# Altium PCB Board.PcbDoc (part 4 of 15) (continued)
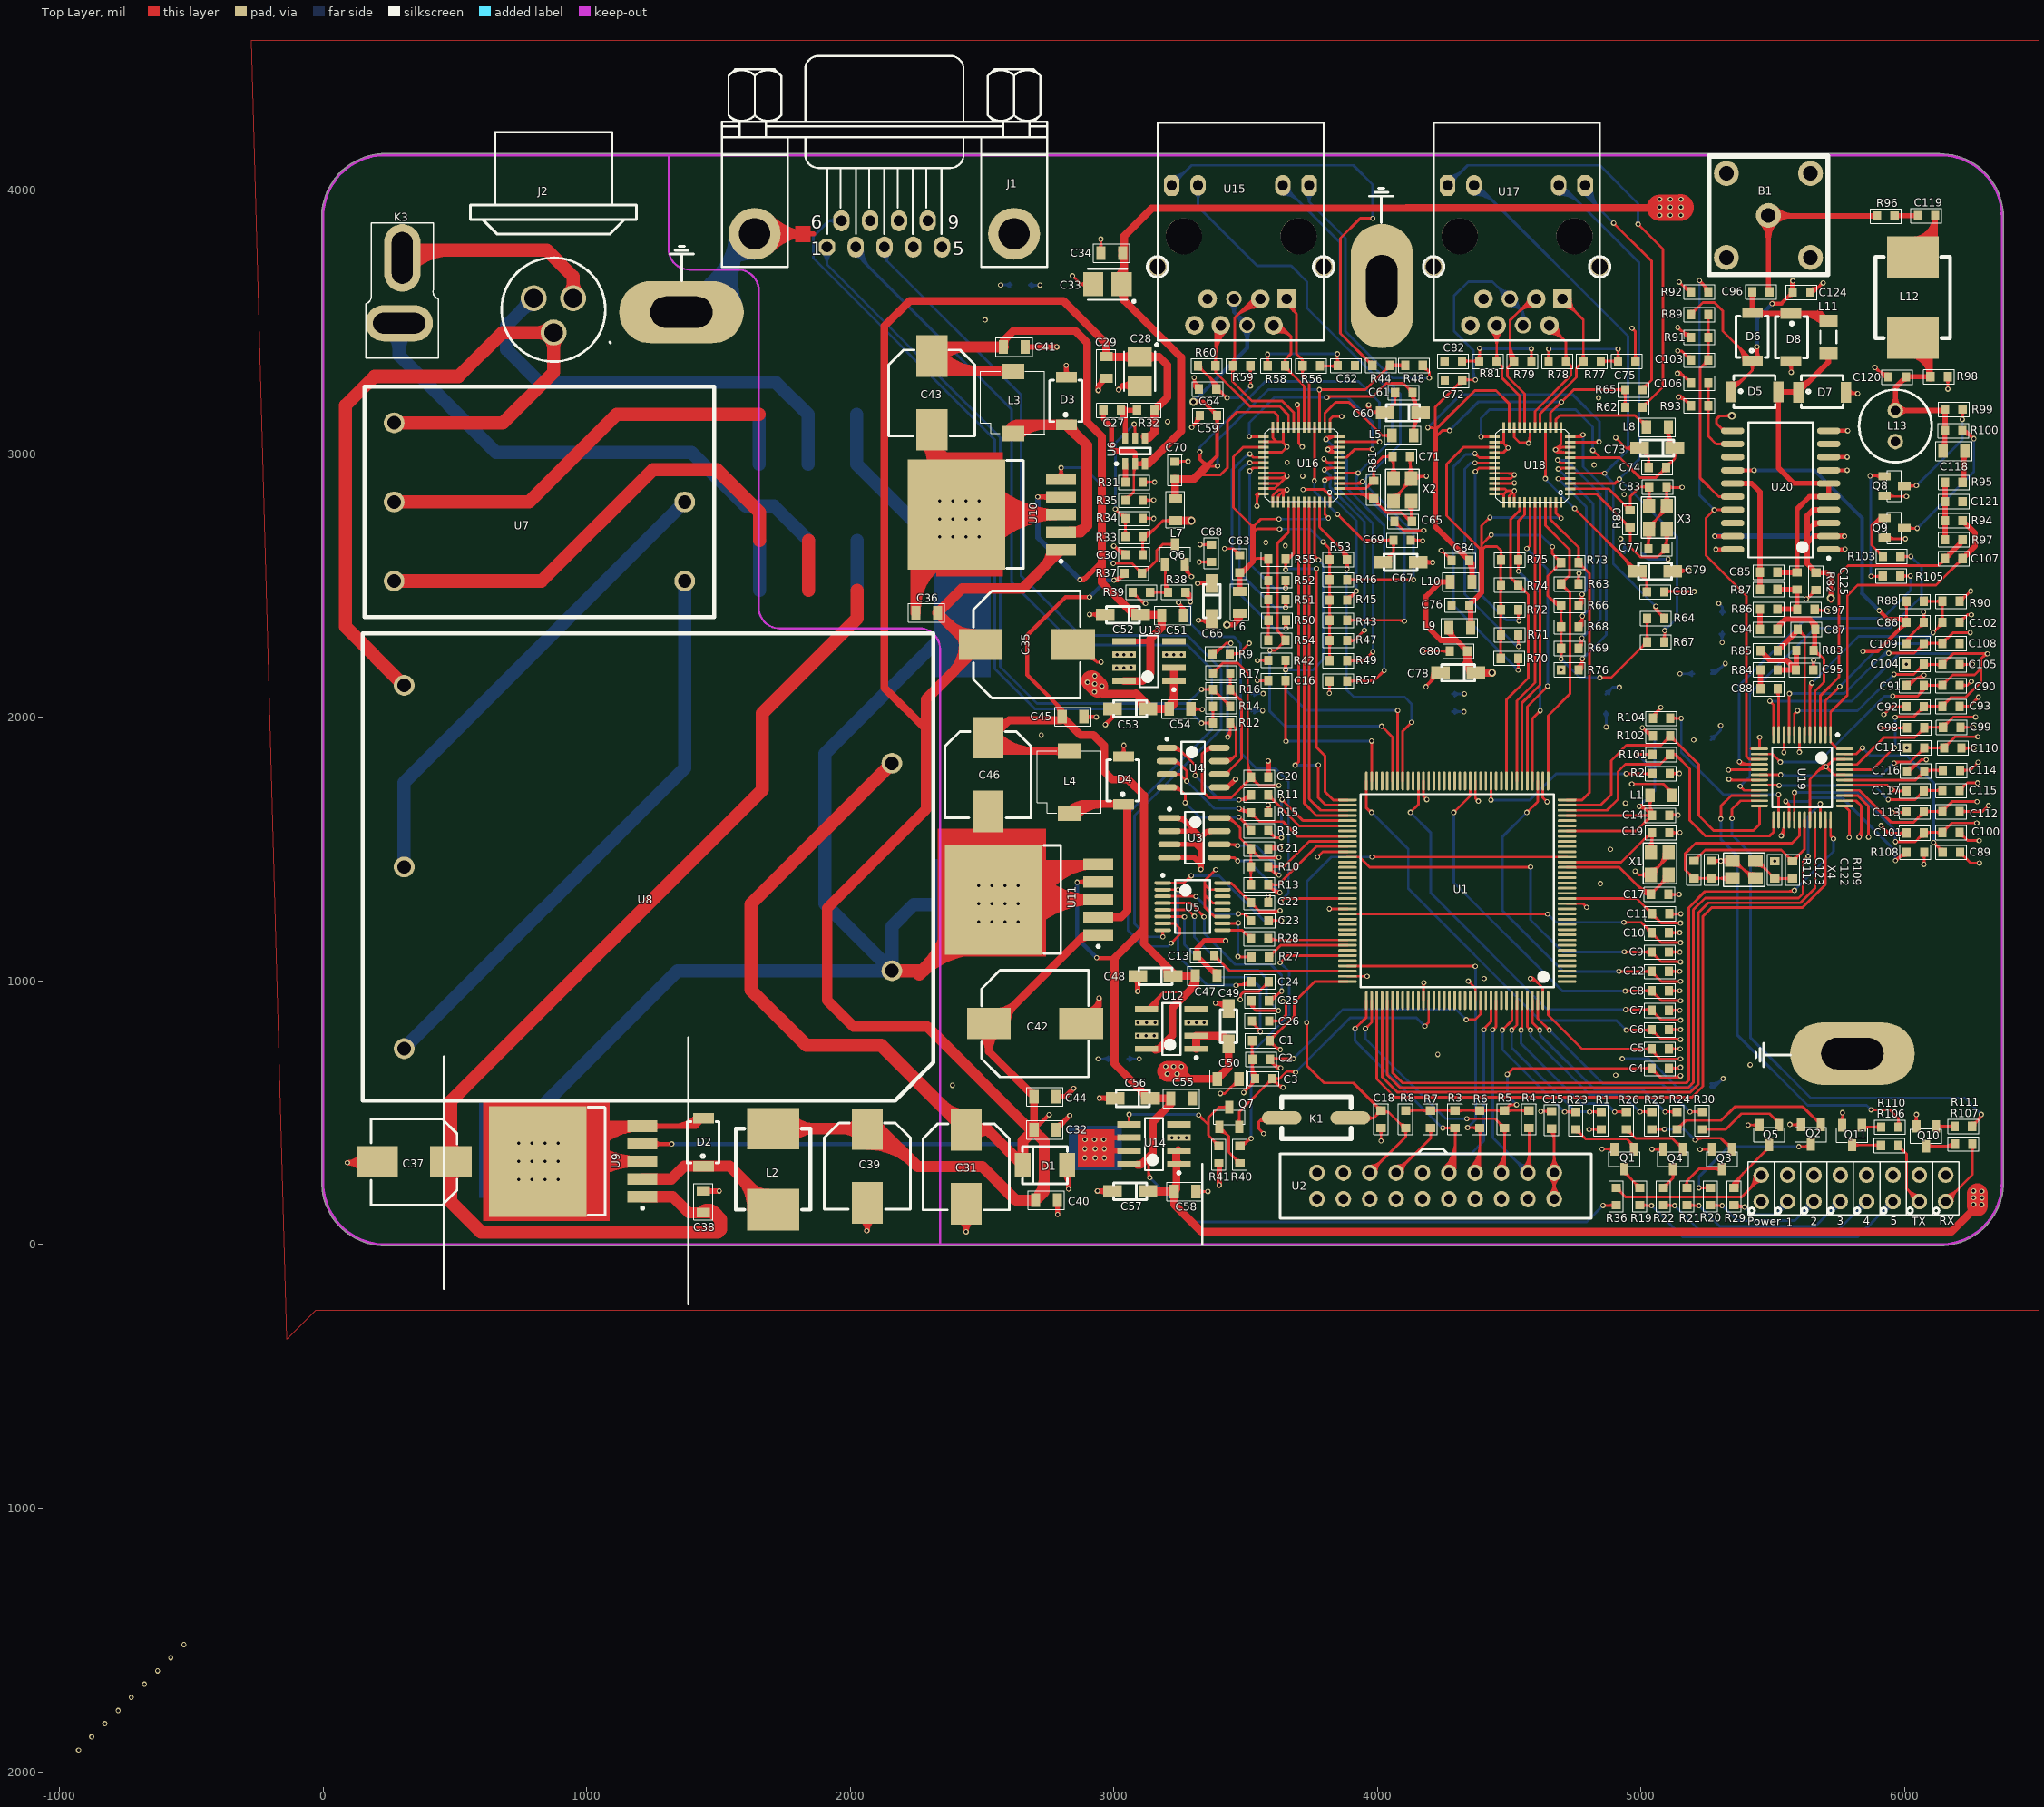
[diagram p0: Top Layer view]
## Nets (pads, with @x,y where several pads share a name; then routed paths per layer and width w, separated by ;. In a path a pad name is that pad's centre, name@x,y a point inside that pad or via, vN(x,y) a via of type N, cw(c..) or ccw(c..) an arc to the next point about the centre after c; other vN are vias at no path point) (continued)
 cw(c3135.55,2729.28) 3135.55,2755.23 ; R34.1@3117.2,2762.83 ccw(c3135.55,2781.18) 3135.55,2755.23 ; R34.1@3117.2,2762.83 ccw(c3135.55,2781.18) 3135.55,2755.23 ; R34.1@3117.2,2762.83 ccw(c3135.55,2781.18) 3135.55,2755.23 ; R35.1@3117.2,2816.24 cw(c3135.55,2797.89) 3135.55,2823.84 ; R35.1@3117.2,2816.24 cw(c3135.55,2797.89) 3135.55,2823.84 ; R35.1@3117.2,2816.24 cw(c3135.55,2797.89) 3135.55,2823.84 ; R35.1@3117.2,2831.44 ccw(c3135.55,2849.79) 3135.55,2823.84 ; R35.1@3117.2,2831.44 ccw(c3135.55,2849.79) 3135.55,2823.84 ; R35.1@3117.2,2831.44 ccw(c3135.55,2849.79) 3135.55,2823.84 ; R31.1@3117.2,2884.85 cw(c3135.55,2866.5) 3135.55,2892.45 ; R31.1@3117.2,2884.85 cw(c3135.55,2866.5) 3135.55,2892.45 ; R31.1@3117.2,2884.85 cw(c3135.55,2866.5) 3135.55,2892.45 ; R31.1@3117.2,2900.05 ccw(c3135.55,2918.4) 3135.55,2892.45 ; R31.1@3117.2,2900.05 ccw(c3135.55,2918.4) 3135.55,2892.45 ; R31.1@3117.2,2900.05 ccw(c3135.55,2918.4) 3135.55,2892.45 ; 3137.05,2823.84 ccw(c3137.05,2837.99) v1@3147.06,2827.98 ; 3137.05,2823.84 ccw(c3137.05,2837.99) v1@3147.06,2827.98 ; 3137.05,2823.84 ccw(c3137.05,2837.99) v1@3147.06,2827.98 ; 3137.65,2755.23 cw(c3137.65,2740.5) v1@3148.06,2750.91 ; 3137.65,2755.23 cw(c3137.65,2740.5) v1@3148.06,2750.91 ; 3137.65,2755.23 cw(c3137.65,2740.5) v1@3148.06,2750.91 ; 3140,2823.84 cw(c3140,2813.85) v1@3147.06,2820.91 ; 3140,2823.84 cw(c3140,2813.85) v1@3147.06,2820.91 ; 3140,2823.84 cw(c3140,2813.85) v1@3147.06,2820.91 ; 3141.41,2755.23 ccw(c3141.41,2764.64) v1@3148.06,2757.98 ; 3141.41,2755.23 ccw(c3141.41,2764.64) v1@3148.06,2757.98 ; 3141.41,2755.23 ccw(c3141.41,2764.64) v1@3148.06,2757.98 ; 3142.53,2892.45 cw(c3142.53,2880.38) v1@3151.06,2888.91 ; 3142.53,2892.45 ccw(c3142.53,2904.52) v1@3151.06,2895.98 ; 3142.53,2892.45 cw(c3142.53,2880.38) v1@3151.06,2888.91 ; 3142.53,2892.45 ccw(c3142.53,2904.52) v1@3151.06,2895.98 ; 3142.53,2892.45 ccw(c3142.53,2904.52) v1@3151.06,2895.98 ; 3142.53,2892.45 cw(c3142.53,2880.38) v1@3151.06,2888.91 ; C70.2@3241.17,2962.85 cw(c3261.93,2942.09) 3261.93,2971.45 ; C70.2@3241.17,2962.85 cw(c3261.93,2942.09) 3261.93,2971.45 ; C70.2@3241.17,2962.85 cw(c3261.93,2942.09) 3261.93,2971.45 ; C70.2@3241.17,2978.05 ccw(c3257.1,2993.98) 3257.1,2971.45 ; C70.2@3241.17,2978.05 ccw(c3257.1,2993.98) 3257.1,2971.45 ; C70.2@3241.17,2978.05 ccw(c3257.1,2993.98) 3257.1,2971.45 ; v1@3245.6,2430.45 cw(c3245.6,2418.38) 3254.13,2426.91 ; v1@3245.6,2430.45 cw(c3245.6,2418.38) 3254.13,2426.91 ; v1@3245.6,2430.45 cw(c3245.6,2418.38) 3254.13,2426.91 ; v1@3250.6,2435.45 ccw(c3262.67,2435.45) 3254.13,2426.91 ; v1@3250.6,2435.45 ccw(c3262.67,2435.45) 3254.13,2426.91 ; v1@3250.6,2435.45 ccw(c3262.67,2435.45) 3254.13,2426.91 ; C51.2@3257.74,2405.23 ccw(c3250.82,2416.77) 3264.28,2416.77 ; C51.2@3257.74,2405.23 ccw(c3250.82,2416.77) 3264.28,2416.77 ; C51.2@3257.74,2405.23 ccw(c3250.82,2416.77) 3264.28,2416.77 ; 3264.28,2416.77 ccw(c3277.73,2416.77) C51.2@3270.81,2405.23 ; 3264.28,2416.77 ccw(c3277.73,2416.77) C51.2@3270.81,2405.23 ; 3264.28,2416.77 ccw(c3277.73,2416.77) C51.2@3270.81,2405.23 ; 3269.53,2971.45 cw(c3269.53,2959.38) v1@3278.06,2967.91 ; 3269.53,2971.45 ccw(c3269.53,2983.52) v1@3278.06,2974.98 ; 3269.53,2971.45 cw(c3269.53,2959.38) v1@3278.06,2967.91 ; 3269.53,2971.45 ccw(c3269.53,2983.52) v1@3278.06,2974.98 ; 3269.53,2971.45 ccw(c3269.53,2983.52) v1@3278.06,2974.98 ; 3269.53,2971.45 cw(c3269.53,2959.38) v1@3278.06,2967.91 ; 3286.06,2541.98 cw(c3277.53,2533.45) v1@3289.6,2533.45 ; 3286.06,2541.98 ccw(c3294.6,2550.52) v1@3294.6,2538.45 ; 3286.06,2541.98 cw(c3277.53,2533.45) v1@3289.6,2533.45 ; 3286.06,2541.98 ccw(c3294.6,2550.52) v1@3294.6,2538.45 ; 3286.06,2541.98 ccw(c3294.6,2550.52) v1@3294.6,2538.45 ; 3286.06,2541.98 cw(c3277.53,2533.45) v1@3289.6,2533.45 ; v1@3295.6,3105.45 ccw(c3295.6,3117.52) 3304.13,3108.98 ; v1@3295.6,3105.45 ccw(c3295.6,3117.52) 3304.13,3108.98 ; v1@3295.6,3105.45 ccw(c3295.6,3117.52) 3304.13,3108.98 ; v1@3300.6,3100.45 cw(c3312.67,3100.45) 3304.13,3108.98 ; v1@3300.6,3100.45 cw(c3312.67,3100.45) 3304.13,3108.98 ; v1@3300.6,3100.45 cw(c3312.67,3100.45) 3304.13,3108.98 ; v1@3301.06,3285.91 cw(c3292.53,3277.38) 3304.6,3277.38 ; v1@3301.06,3285.91 cw(c3292.53,3277.38) 3304.6,3277.38 ; v1@3301.06,3285.91 cw(c3292.53,3277.38) 3304.6,3277.38 ; C54.2@3301.27,2023.46 cw(c3315.73,2008.99) 3315.73,2029.45 ; C54.2@3301.27,2023.46 cw(c3315.73,2008.99) 3315.73,2029.45 ; C54.2@3301.27,2023.46 cw(c3315.73,2008.99) 3315.73,2029.45 ; C54.2@3301.27,2041.44 ccw(c3330.22,2070.39) v1@3330.22,2029.45 ; C54.2@3301.27,2041.44 ccw(c3330.22,2070.39) v1@3330.22,2029.45 ; C54.2@3301.27,2041.44 ccw(c3330.22,2070.39) v1@3330.22,2029.45 ; 3304.6,3260.9 ccw(c3327.13,3260.9) C64.2@3319.44,3239.72 ; 3304.6,3260.9 ccw(c3327.13,3260.9) C64.2@3319.44,3239.72 ; 3304.6,3260.9 ccw(c3327.13,3260.9) C64.2@3319.44,3239.72 ; 3304.6,3264.45 v1(3304.6,3289.45) ; 3304.6,3275.17 ccw(c3332.32,3275.17) C64.2@3322.85,3249.12 ; 3304.6,3275.17 ccw(c3332.32,3275.17) C64.2@3322.85,3249.12 ; 3304.6,3275.17 ccw(c3332.32,3275.17) C64.2@3322.85,3249.12 ; 3304.6,3277.38 cw(c3316.67,3277.38) v1@3308.13,3285.91 ; 3304.6,3277.38 cw(c3316.67,3277.38) v1@3308.13,3285.91 ; 3304.6,3277.38 cw(c3316.67,3277.38) v1@3308.13,3285.91 ; v1(3304.6,3289.45) ccw(c3337.5,3289.45) C64.2@3326.27,3258.52 ; v1(3304.6,3289.45) ccw(c3337.5,3289.45) C64.2@3326.27,3258.52 ; v1(3304.6,3289.45) ccw(c3337.5,3289.45) C64.2@3326.27,3258.52 ; 3305.64,3263.4 cw(c3290.65,3248.42) C64.2@3311.85,3248.42 ; 3305.64,3263.4 cw(c3290.65,3248.42) C64.2@3311.85,3248.42 ; 3305.64,3263.4 cw(c3290.65,3248.42) C64.2@3311.85,3248.42 ; C58.2@3320.27,192.46 cw(c3341.98,170.75) 3341.98,201.45 ; C58.2@3320.27,192.46 cw(c3341.98,170.75) 3341.98,201.45 ; C58.2@3320.27,192.46 cw(c3341.98,170.75) 3341.98,201.45 ; C58.2@3320.27,210.44 ccw(c3341.98,232.15) 3341.98,201.45 ; C58.2@3320.27,210.44 ccw(c3341.98,232.15) 3341.98,201.45 ; C58.2@3320.27,210.44 ccw(c3341.98,232.15) 3341.98,201.45 ; v1(3320.6,2368.45) cw(c3320.6,2321.5) C66.1@3357.12,2351.01 ; v1(3320.6,2368.45) cw(c3320.6,2321.5) C66.1@3357.12,2351.01 ; v1(3320.6,2368.45) cw(c3320.6,2321.5) C66.1@3357.12,2351.01 ; 3323.53,2029.45 cw(c3323.53,2017.38) v1@3332.06,2025.91 ; 3323.53,2029.45 ccw(c3323.53,2041.52) v1@3332.06,2032.98 ; 3323.53,2029.45 cw(c3323.53,2017.38) v1@3332.06,2025.91 ; 3323.53,2029.45 ccw(c3323.53,2041.52) v1@3332.06,2032.98 ; 3323.53,2029.45 ccw(c3323.53,2041.52) v1@3332.06,2032.98 ; 3323.53,2029.45 cw(c3323.53,2017.38) v1@3332.06,2025.91 ; v1@3324.13,2364.91 cw(c3332.67,2356.38) 3332.67,2368.45 ; v1@3324.13,2364.91 cw(c3332.67,2356.38) 3332.67,2368.45 ; v1@3324.13,2364.91 cw(c3332.67,2356.38) 3332.67,2368.45 ; v1@3324.13,2371.98 ccw(c3332.67,2380.52) 3332.67,2368.45 ; v1@3324.13,2371.98 ccw(c3332.67,2380.52) 3332.67,2368.45 ; v1@3324.13,2371.98 ccw(c3332.67,2380.52) 3332.67,2368.45 ; v1@3331.13,2651.91 cw(c3339.67,2643.38) 3339.67,2655.45 ; v1@3331.13,2651.91 cw(c3339.67,2643.38) 3339.67,2655.45 ; v1@3331.13,2651.91 cw(c3339.67,2643.38) 3339.67,2655.45 ; v1@3331.13,2658.98 ccw(c3339.67,2667.52) 3339.67,2655.45 ; v1@3331.13,2658.98 ccw(c3339.67,2667.52) 3339.67,2655.45 ; v1@3331.13,2658.98 ccw(c3339.67,2667.52) 3339.67,2655.45 ; 3340.48,2368.45 ccw(c3340.48,2393.84) C66.1@3358.43,2375.88 ; 3340.48,2368.45 ccw(c3340.48,2393.84) C66.1@3358.43,2375.88 ; 3340.48,2368.45 ccw(c3340.48,2393.84) C66.1@3358.43,2375.88 ; 3341.54,2368.45 cw(c3341.54,2338.42) C66.1@3364.89,2357.3 ; 3341.54,2368.45 cw(c3341.54,2338.42) C66.1@3364.89,2357.3 ; 3341.54,2368.45 cw(c3341.54,2338.42) C66.1@3364.89,2357.3 ; 3341.68,2655.45 cw(c3341.68,2629.5) C68.1@3360.03,2647.85 ; 3341.68,2655.45 ccw(c3341.68,2681.4) C68.1@3360.03,2663.05 ; 3341.68,2655.45 cw(c3341.68,2629.5) C68.1@3360.03,2647.85 ; 3341.68,2655.45 ccw(c3341.68,2681.4) C68.1@3360.03,2663.05 ; 3341.68,2655.45 ccw(c3341.68,2681.4) C68.1@3360.03,2663.05 ; 3341.68,2655.45 cw(c3341.68,2629.5) C68.1@3360.03,2647.85 ; 3344.53,201.45 cw(c3344.53,189.38) v1@3353.06,197.91 ; 3344.53,201.45 ccw(c3344.53,213.52) v1@3353.06,204.98 ; 3344.53,201.45 cw(c3344.53,189.38) v1@3353.06,197.91 ; 3344.53,201.45 ccw(c3344.53,213.52) v1@3353.06,204.98 ; 3344.53,201.45 ccw(c3344.53,213.52) v1@3353.06,204.98 ; 3344.53,201.45 cw(c3344.53,189.38) v1@3353.06,197.91 ; 3345.6,1324.45 3345.6,1364.45 ; 3373.38,1251.67 ccw(c3387.18,1265.48) U5.11@3387.18,1245.95 ; 3373.38,1251.67 ccw(c3387.18,1265.48) U5.11@3387.18,1245.95 ; 3373.38,1251.67 ccw(c3387.18,1265.48) U5.11@3387.18,1245.95 ; 3378.06,1413.91 cw(c3386.6,1405.38) v1@3386.6,1417.45 ; 3378.06,1413.91 ccw(c3369.53,1422.45) v1@3381.6,1422.45 ; 3378.06,1413.91 cw(c3386.6,1405.38) v1@3386.6,1417.45 ; 3378.06,1413.91 ccw(c3369.53,1422.45) v1@3381.6,1422.45 ; 3378.06,1413.91 ccw(c3369.53,1422.45) v1@3381.6,1422.45 ; 3378.06,1413.91 cw(c3386.6,1405.38) v1@3386.6,1417.45 ; v1@3408.13,569.91 cw(c3416.67,561.38) 3416.67,573.45 ; v1@3408.13,569.91 cw(c3416.67,561.38) 3416.67,573.45 ; v1@3408.13,569.91 cw(c3416.67,561.38) 3416.67,573.45 ; v1@3408.13,576.98 ccw(c3416.67,585.52) 3416.67,573.45 ; v1@3408.13,576.98 ccw(c3416.67,585.52) 3416.67,573.45 ; v1@3408.13,576.98 ccw(c3416.67,585.52) 3416.67,573.45 ; v1@3423.13,2636.91 cw(c3431.67,2628.38) 3431.67,2640.45 ; v1@3423.13,2636.91 cw(c3431.67,2628.38) 3431.67,2640.45 ; v1@3423.13,2636.91 cw(c3431.67,2628.38) 3431.67,2640.45 ; v1@3423.13,2643.98 ccw(c3431.67,2652.52) 3431.67,2640.45 ; v1@3423.13,2643.98 ccw(c3431.67,2652.52) 3431.67,2640.45 ; v1@3423.13,2643.98 ccw(c3431.67,2652.52) 3431.67,2640.45 ; 3440.13,593.3 cw(c3475.28,558.15) C50.2@3475.28,607.86 ; 3440.13,593.3 cw(c3475.28,558.15) C50.2@3475.28,607.86 ; 3440.13,593.3 cw(c3475.28,558.15) C50.2@3475.28,607.86 ; R9.2@3447.2,2233.85 cw(c3465.55,2215.5) 3465.55,2241.45 ; R9.2@3447.2,2233.85 cw(c3465.55,2215.5) 3465.55,2241.45 ; R9.2@3447.2,2233.85 cw(c3465.55,2215.5) 3465.55,2241.45 ; R9.2@3447.2,2249.05 ccw(c3465.55,2267.4) 3465.55,2241.45 ; R9.2@3447.2,2249.05 ccw(c3465.55,2267.4) 3465.55,2241.45 ; R9.2@3447.2,2249.05 ccw(c3465.55,2267.4) 3465.55,2241.45 ; 3455.89,2637.16 cw(c3434.18,2615.45) C63.2@3464.88,2615.45 ; 3455.89,2637.16 cw(c3434.18,2615.45) C63.2@3464.88,2615.45 ; 3455.89,2637.16 cw(c3434.18,2615.45) C63.2@3464.88,2615.45 ; 3457.2,610.37 cw(c3475.28,592.29) C50.2@3475.28,617.86 ; 3457.2,610.37 cw(c3475.28,592.29) C50.2@3475.28,617.86 ; 3457.2,610.37 cw(c3475.28,592.29) C50.2@3475.28,617.86 ; C50.2@3459.13,612.31 ccw(c3450.87,620.57) C50.2@3462.56,620.57 ; C50.2@3459.13,612.31 ccw(c3450.87,620.57) C50.2@3462.56,620.57 ; C50.2@3459.13,612.31 ccw(c3450.87,620.57) C50.2@3462.56,620.57 ; 3460.64,2632.4 ccw(c3475.63,2647.39) C63.2@3475.63,2626.2 ; 3460.64,2632.4 ccw(c3475.63,2647.39) C63.2@3475.63,2626.2 ; 3460.64,2632.4 ccw(c3475.63,2647.39) C63.2@3475.63,2626.2 ; v1@3476.06,932.98 ccw(c3462.7,946.35) 3481.6,946.35 ; v1@3476.06,932.98 ccw(c3462.7,946.35) 3481.6,946.35 ; v1@3476.06,932.98 ccw(c3462.7,946.35) 3481.6,946.35 ; v1@3492.6,581.45 ccw(c3492.6,593.52) 3501.13,584.98 ; v1@3492.6,581.45 ccw(c3492.6,593.52) 3501.13,584.98 ; v1@3492.6,581.45 ccw(c3492.6,593.52) 3501.13,584.98 ; v1@3497.6,576.45 cw(c3509.67,576.45) 3501.13,584.98 ; v1@3497.6,576.45 cw(c3509.67,576.45) 3501.13,584.98 ; v1@3497.6,576.45 cw(c3509.67,576.45) 3501.13,584.98 ; 3505.06,2272.91 cw(c3513.6,2264.38) v1@3513.6,2276.45 ; 3505.06,2272.91 ccw(c3496.53,2281.45) v1@3508.6,2281.45 ; 3505.06,2272.91 cw(c3513.6,2264.38) v1@3513.6,2276.45 ; 3505.06,2272.91 ccw(c3496.53,2281.45) v1@3508.6,2281.45 ; 3505.06,2272.91 ccw(c3496.53,2281.45) v1@3508.6,2281.45 ; 3505.06,2272.91 cw(c3513.6,2264.38) v1@3513.6,2276.45 ; 3511.57,595.42 ccw(c3479.51,627.48) C3.1@3524.85,627.48 ; 3511.57,595.42 ccw(c3479.51,627.48) C3.1@3524.85,627.48 ; 3511.57,595.42 ccw(c3479.51,627.48) C3.1@3524.85,627.48 ; C1.1@3517,763.88 cw(c3498.65,745.53) 3524.6,745.53 ; C1.1@3517,763.88 cw(c3498.65,745.53) 3524.6,745.53 ; C1.1@3517,763.88 cw(c3498.65,745.53) 3524.6,745.53 ; C2.1@3519,692.88 cw(c3505.48,679.36) 3524.6,679.36 ; C2.1@3519,692.88 cw(c3505.48,679.36) 3524.6,679.36 ; C2.1@3519,692.88 cw(c3505.48,679.36) 3524.6,679.36 ; C2.1@3519,712.02 ccw(c3505.48,725.54) 3524.6,725.54 ; C2.1@3519,712.02 ccw(c3505.48,725.54) 3524.6,725.54 ; C2.1@3519,712.02 ccw(c3505.48,725.54) 3524.6,725.54 ; 3524.6,659.78 ccw(c3563.96,659.78) C3.1@3536.13,631.95 ; 3524.6,659.78 ccw(c3563.96,659.78) C3.1@3536.13,631.95 ; 3524.6,659.78 ccw(c3563.96,659.78) C3.1@3536.13,631.95 ; 3524.6,669.7 cw(c3557.37,669.7) C2.1@3534.2,692.88 ; 3524.6,669.7 cw(c3557.37,669.7) C2.1@3534.2,692.88 ; 3524.6,669.7 cw(c3557.37,669.7) C2.1@3534.2,692.88 ; 3524.6,683.92 ccw(c3588.1,683.92) C3.1@3543.2,639.02 ; 3524.6,683.92 ccw(c3588.1,683.92) C3.1@3543.2,639.02 ; 3524.6,683.92 ccw(c3588.1,683.92) C3.1@3543.2,639.02 ; 3524.6,735.19 ccw(c3557.37,735.19) C2.1@3534.2,712.02 ; 3524.6,735.19 ccw(c3557.37,735.19) C2.1@3534.2,712.02 ; 3524.6,735.19 ccw(c3557.37,735.19) C2.1@3534.2,712.02 ; 3524.6,745.53 cw(c3550.55,745.53) C1.1@3532.2,763.88 ; 3524.6,745.53 cw(c3550.55,745.53) C1.1@3532.2,763.88 ; 3524.6,745.53 cw(c3550.55,745.53) C1.1@3532.2,763.88 ; C3.1@3528.64,612.49 ccw(c3513.65,627.48) C3.1@3534.85,627.48 ; C3.1@3528.64,612.49 ccw(c3513.65,627.48) C3.1@3534.85,627.48 ; C3.1@3528.64,612.49 ccw(c3513.65,627.48) C3.1@3534.85,627.48 ; v1@3539.06,2804.98 ccw(c3530.53,2813.52) 3542.6,2813.52 ; v1@3539.06,2804.98 ccw(c3530.53,2813.52) 3542.6,2813.52 ; v1@3539.06,2804.98 ccw(c3530.53,2813.52) 3542.6,2813.52 ; 3542.6,2813.52 ccw(c3554.67,2813.52) v1@3546.13,2804.98 ; 3542.6,2813.52 ccw(c3554.67,2813.52) v1@3546.13,2804.98 ; 3542.6,2813.52 ccw(c3554.67,2813.52) v1@3546.13,2804.98 ; 3542.6,2824.31 cw(c3576.74,2824.31) U16.36@3552.6,2848.45 ; 3542.6,2824.31 cw(c3576.74,2824.31) U16.36@3552.6,2848.45 ; 3542.6,2824.31 cw(c3576.74,2824.31) U16.36@3552.6,2848.45 ; 3542.6,2838.4 cw(c3552.65,2838.4) U16.36@3552.6,2848.45 ; 3542.6,2838.4 cw(c3552.65,2838.4) U16.36@3552.6,2848.45 ; 3542.6,2838.4 cw(c3552.65,2838.4) U16.36@3552.6,2848.45 ; 3542.6,2847.45 cw(c3548.21,2841.84) U16.36@3552.6,2848.45 ; v1@3547.13,2135.91 cw(c3555.67,2127.38) 3555.67,2139.45 ; v1@3547.13,2135.91 cw(c3555.67,2127.38) 3555.67,2139.45 ; v1@3547.13,2135.91 cw(c3555.67,2127.38) 3555.67,2139.45 ; v1@3547.13,2142.98 ccw(c3555.67,2151.52) 3555.67,2139.45 ; v1@3547.13,2142.98 ccw(c3555.67,2151.52) 3555.67,2139.45 ; v1@3547.13,2142.98 ccw(c3555.67,2151.52) 3555.67,2139.45 ; v1@3548.13,2211.91 cw(c3558.68,2201.37) 3558.68,2216.28 ; v1@3548.13,2211.91 cw(c3558.68,2201.37) 3558.68,2216.28 ; v1@3548.13,2211.91 cw(c3558.68,2201.37) 3558.68,2216.28 ; v1@3548.13,2218.98 ccw(c3554.66,2225.51) 3554.66,2216.28 ; v1@3548.13,2218.98 ccw(c3554.66,2225.51) 3554.66,2216.28 ; v1@3548.13,2218.98 ccw(c3554.66,2225.51) 3554.66,2216.28 ; U16.36@3552.6,2848.45 ccw(c3550.35,2832.7) 3539.1,2843.95 cw(c3550.35,2832.7) U16.36@3552.6,2848.45 ; 3559.65,2139.45 cw(c3559.65,2113.5) C16.1@3578,2131.85 ; 3559.65,2139.45 ccw(c3559.65,2165.4) C16.1@3578,2147.05 ; 3559.65,2139.45 cw(c3559.65,2113.5) C16.1@3578,2131.85 ; 3559.65,2139.45 ccw(c3559.65,2165.4) C16.1@3578,2147.05 ; 3559.65,2139.45 ccw(c3559.65,2165.4) C16.1@3578,2147.05 ; 3559.65,2139.45 cw(c3559.65,2113.5) C16.1@3578,2131.85 ; 3559.65,2216.28 cw(c3559.65,2190.33) R42.1@3578,2208.68 ; 3559.65,2216.28 ccw(c3559.65,2242.23) R42.1@3578,2223.88 ; 3559.65,2216.28 cw(c3559.65,2190.33) R42.1@3578,2208.68 ; 3559.65,2216.28 ccw(c3559.65,2242.23) R42.1@3578,2223.88 ; 3559.65,2216.28 ccw(c3559.65,2242.23) R42.1@3578,2223.88 ; 3559.65,2216.28 cw(c3559.65,2190.33) R42.1@3578,2208.68 ; 3560.06,428.98 cw(c3551.53,420.45) v1@3563.6,420.45 ; 3560.06,428.98 ccw(c3568.6,437.52) v1@3568.6,425.45 ; 3560.06,428.98 cw(c3551.53,420.45) v1@3563.6,420.45 ; 3560.06,428.98 ccw(c3568.6,437.52) v1@3568.6,425.45 ; 3560.06,428.98 ccw(c3568.6,437.52) v1@3568.6,425.45 ; 3560.06,428.98 cw(c3551.53,420.45) v1@3563.6,420.45 ; 3565.89,975.74 cw(c3587.6,954.03) C24.2@3587.6,984.73 ; 3565.89,975.74 cw(c3587.6,954.03) C24.2@3587.6,984.73 ; 3565.89,975.74 cw(c3587.6,954.03) C24.2@3587.6,984.73 ; 3570.64,980.49 ccw(c3555.65,995.48) C24.2@3576.85,995.48 ; 3570.64,980.49 ccw(c3555.65,995.48) C24.2@3576.85,995.48 ; 3570.64,980.49 ccw(c3555.65,995.48) C24.2@3576.85,995.48 ; C26.2@3597.2,840.85 cw(c3615.55,822.5) 3615.55,848.45 ; C26.2@3597.2,840.85 cw(c3615.55,822.5) 3615.55,848.45 ; C26.2@3597.2,840.85 cw(c3615.55,822.5) 3615.55,848.45 ; C26.2@3597.2,856.05 ccw(c3615.55,874.4) 3615.55,848.45 ; C26.2@3597.2,856.05 ccw(c3615.55,874.4) 3615.55,848.45 ; C26.2@3597.2,856.05 ccw(c3615.55,874.4) 3615.55,848.45 ; 3618.6,3045.31 3638.74,3045.31 3642.7,3041.35 ; U16.38@3623.02,2831.72 cw(c3640.26,2831.72) 3628.07,2843.92 ; U16.38@3623.02,2831.72 cw(c3640.26,2831.72) 3628.07,2843.92 ; U16.38@3623.02,2831.72 cw(c3640.26,2831.72) 3628.07,2843.92 ; 3626.35,2907.51 ccw(c3626.35,2946.7) v1@3654.06,2918.98 ; 3626.35,2907.51 ccw(c3626.35,2946.7) v1@3654.06,2918.98 ; 3626.35,2907.51 ccw(c3626.35,2946.7) v1@3654.06,2918.98 ; 3629.97,2887.82 3649.66,2907.51 ; 3645.53,2863.45 cw(c3645.53,2851.38) v1@3654.06,2859.91 ; 3645.53,2863.45 ccw(c3645.53,2875.52) v1@3654.06,2866.98 ; 3645.53,2863.45 cw(c3645.53,2851.38) v1@3654.06,2859.91 ; 3645.53,2863.45 ccw(c3645.53,2875.52) v1@3654.06,2866.98 ; 3645.53,2863.45 ccw(c3645.53,2875.52) v1@3654.06,2866.98 ; 3645.53,2863.45 cw(c3645.53,2851.38) v1@3654.06,2859.91 ; 3649.06,2854.91 cw(c3657.6,2846.38) v1@3657.6,2858.45 ; 3649.06,2854.91 ccw(c3640.53,2863.45) v1@3652.6,2863.45 ; 3649.06,2854.91 cw(c3657.6,2846.38) v1@3657.6,2858.45 ; 3649.06,2854.91 ccw(c3640.53,2863.45) v1@3652.6,2863.45 ; 3649.06,2854.91 ccw(c3640.53,2863.45) v1@3652.6,2863.45 ; 3649.06,2854.91 cw(c3657.6,2846.38) v1@3657.6,2858.45 ; 3649.06,2906.91 cw(c3657.6,2898.38) v1@3657.6,2910.45 ; 3649.06,2906.91 ccw(c3640.53,2915.45) v1@3652.6,2915.45 ; 3649.06,2906.91 cw(c3657.6,2898.38) v1@3657.6,2910.45 ; 3649.06,2906.91 ccw(c3640.53,2915.45) v1@3652.6,2915.45 ; 3649.06,2906.91 ccw(c3640.53,2915.45) v1@3652.6,2915.45 ; 3649.06,2906.91 cw(c3657.6,2898.38) v1@3657.6,2910.45 ; 3649.06,3017.91 cw(c3657.6,3009.38) v1@3657.6,3021.45 ; 3649.06,3017.91 ccw(c3640.53,3026.45) v1@3652.6,3026.45 ; 3649.06,3017.91 cw(c3657.6,3009.38) v1@3657.6,3021.45 ; 3649.06,3017.91 ccw(c3640.53,3026.45) v1@3652.6,3026.45 ; 3649.06,3017.91 ccw(c3640.53,3026.45) v1@3652.6,3026.45 ; 3649.06,3017.91 cw(c3657.6,3009.38) v1@3657.6,3021.45 ; 3649.06,3034.98 cw(c3640.53,3026.45) v1@3652.6,3026.45 ; 3649.06,3034.98 ccw(c3657.6,3043.52) v1@3657.6,3031.45 ; 3649.06,3034.98 cw(c3640.53,3026.45) v1@3652.6,3026.45 ; 3649.06,3034.98 ccw(c3657.6,3043.52) v1@3657.6,3031.45 ; 3649.06,3034.98 ccw(c3657.6,3043.52) v1@3657.6,3031.45 ; 3649.06,3034.98 cw(c3640.53,3026.45) v1@3652.6,3026.45 ; 3649.66,2907.51 cw(c3656.81,2900.35) 3657.34,2910.46 ccw(c3656.81,2900.35) 3649.66,2907.51 ; 3649.66,2907.51 ccw(c3642.5,2914.66) 3652.61,2915.19 cw(c3642.5,2914.66) 3649.66,2907.51 ; 3650.49,2907.51 ccw(c3650.49,2922.55) v1@3661.13,2911.91 ; 3650.49,2907.51 ccw(c3650.49,2922.55) v1@3661.13,2911.91 ; 3650.49,2907.51 ccw(c3650.49,2922.55) v1@3661.13,2911.91 ; 3706.06,3034.98 cw(c3697.53,3026.45) v1@3709.6,3026.45 ; 3706.06,3034.98 ccw(c3714.6,3043.52) v1@3714.6,3031.45 ; 3706.06,3034.98 cw(c3697.53,3026.45) v1@3709.6,3026.45 ; 3706.06,3034.98 ccw(c3714.6,3043.52) v1@3714.6,3031.45 ; 3706.06,3034.98 ccw(c3714.6,3043.52) v1@3714.6,3031.45 ; 3706.06,3034.98 cw(c3697.53,3026.45) v1@3709.6,3026.45 ; v1@3721.13,2860.91 cw(c3729.67,2852.38) 3729.67,2864.45 ; v1@3721.13,2860.91 cw(c3729.67,2852.38) 3729.67,2864.45 ; v1@3721.13,2860.91 cw(c3729.67,2852.38) 3729.67,2864.45 ; v1@3721.13,2867.98 ccw(c3729.67,2876.52) 3729.67,2864.45 ; v1@3721.13,2867.98 ccw(c3729.67,2876.52) 3729.67,2864.45 ; v1@3721.13,2867.98 ccw(c3729.67,2876.52) 3729.67,2864.45 ; v1@3772.6,1475.45 ccw(c3772.6,1487.52) 3781.13,1478.98 ; v1@3772.6,1475.45 ccw(c3772.6,1487.52) 3781.13,1478.98 ; v1@3772.6,1475.45 ccw(c3772.6,1487.52) 3781.13,1478.98 ; v1@3777.6,1470.45 cw(c3789.67,1470.45) 3781.13,1478.98 ; v1@3777.6,1470.45 cw(c3789.67,1470.45) 3781.13,1478.98 ; v1@3777.6,1470.45 cw(c3789.67,1470.45) 3781.13,1478.98 ; R57.1@3811.15,2128.88 cw(c3795.58,2113.31) 3817.6,2113.31 ; R57.1@3811.15,2128.88 cw(c3795.58,2113.31) 3817.6,2113.31 ; R57.1@3811.15,2128.88 cw(c3795.58,2113.31) 3817.6,2113.31 ; v1@3814.06,2094.98 ccw(c3805.53,2103.52) 3817.6,2103.52 ; v1@3814.06,2094.98 ccw(c3805.53,2103.52) 3817.6,2103.52 ; v1@3814.06,2094.98 ccw(c3805.53,2103.52) 3817.6,2103.52 ; 3817.6,2103.52 ccw(c3829.67,2103.52) v1@3821.13,2094.98 ; 3817.6,2103.52 ccw(c3829.67,2103.52) v1@3821.13,2094.98 ; 3817.6,2103.52 ccw(c3829.67,2103.52) v1@3821.13,2094.98 ; 3817.6,2107.76 cw(c3847.47,2107.76) R57.1@3826.35,2128.88 ; 3817.6,2107.76 cw(c3847.47,2107.76) R57.1@3826.35,2128.88 ; 3817.6,2107.76 cw(c3847.47,2107.76) R57.1@3826.35,2128.88 ; v1@3821.13,1269.91 cw(c3829.92,1261.13) 3829.92,1273.55 ; v1@3821.13,1269.91 cw(c3829.92,1261.13) 3829.92,1273.55 ; v1@3821.13,1269.91 cw(c3829.92,1261.13) 3829.92,1273.55 ; v1@3821.13,1276.98 ccw(c3829.42,1285.27) 3829.42,1273.55 ; v1@3821.13,1276.98 ccw(c3829.42,1285.27) 3829.42,1273.55 ; v1@3821.13,1276.98 ccw(c3829.42,1285.27) 3829.42,1273.55 ; 3852.53,3141.45 cw(c3852.53,3129.38) v1@3861.06,3137.91 ; 3852.53,3141.45 ccw(c3852.53,3153.52) v1@3861.06,3144.98 ; 3852.53,3141.45 cw(c3852.53,3129.38) v1@3861.06,3137.91 ; 3852.53,3141.45 ccw(c3852.53,3153.52) v1@3861.06,3144.98 ; 3852.53,3141.45 ccw(c3852.53,3153.52) v1@3861.06,3144.98 ; 3852.53,3141.45 cw(c3852.53,3129.38) v1@3861.06,3137.91 ; 3948.05,1017.65 cw(c3948.05,1004.9) v1@3957.06,1013.91 ; 3948.05,1017.65 cw(c3948.05,1004.9) v1@3957.06,1013.91 ; 3948.05,1017.65 cw(c3948.05,1004.9) v1@3957.06,1013.91 ; 3949,1017.65 ccw(c3949,1029.04) v1@3957.06,1020.98 ; 3949,1017.65 ccw(c3949,1029.04) v1@3957.06,1020.98 ; 3949,1017.65 ccw(c3949,1029.04) v1@3957.06,1020.98 ; v1@3963.06,3181.91 cw(c3954.53,3173.38) 3966.6,3173.38 ; v1@3963.06,3181.91 cw(c3954.53,3173.38) 3966.6,3173.38 ; v1@3963.06,3181.91 cw(c3954.53,3173.38) 3966.6,3173.38 ; v1@3963.06,3181.91 cw(c3954.53,3173.38) 3966.6,3173.38 ; v1@3963.06,3181.91 cw(c3954.53,3173.38) 3966.6,3173.38 ; 3966.6,3173.38 cw(c3978.67,3173.38) v1@3970.13,3181.91 ; 3966.6,3173.38 cw(c3978.67,3173.38) v1@3970.13,3181.91 ; 3966.6,3173.38 cw(c3978.67,3173.38) v1@3970.13,3181.91 ; 3966.6,3173.38 cw(c3978.67,3173.38) v1@3970.13,3181.91 ; 3966.6,3173.38 cw(c3978.67,3173.38) v1@3970.13,3181.91 ; 3979.6,3159.45 cw(c3979.6,3134.4) C60.1@4001.55,3146.47 ; 3979.6,3159.45 cw(c3979.6,3134.4) C60.1@4001.55,3146.47 ; 3979.6,3159.45 cw(c3979.6,3134.4) C60.1@4001.55,3146.47 ; 3979.6,3159.45 4025.68,3159.45 C60.1@4029.68,3155.45 4066.6,3192.37 ; 3982.57,3159.45 ccw(c3982.57,3190.75) C60.1@4004.7,3168.62 ; 3982.57,3159.45 ccw(c3982.57,3190.75) C60.1@4004.7,3168.62 ; 3982.57,3159.45 ccw(c3982.57,3190.75) C60.1@4004.7,3168.62 ; C18.1@4006,434.85 cw(c3987.65,416.5) 4013.6,416.5 ; C18.1@4006,434.85 cw(c3987.65,416.5) 4013.6,416.5 ; C18.1@4006,434.85 cw(c3987.65,416.5) 4013.6,416.5 ; v1@4010.06,396.98 ccw(c4001.53,405.52) 4013.6,405.52 ; v1@4010.06,396.98 ccw(c4001.53,405.52) 4013.6,405.52 ; v1@4010.06,396.98 ccw(c4001.53,405.52) 4013.6,405.52 ; 4013.6,405.52 ccw(c4025.67,405.52) v1@4017.13,396.98 ; 4013.6,405.52 ccw(c4025.67,405.52) v1@4017.13,396.98 ; 4013.6,405.52 ccw(c4025.67,405.52) v1@4017.13,396.98 ; 4013.6,416.5 cw(c4039.55,416.5) C18.1@4021.2,434.85 ; 4013.6,416.5 cw(c4039.55,416.5) C18.1@4021.2,434.85 ; 4013.6,416.5 cw(c4039.55,416.5) C18.1@4021.2,434.85 ; C60.1@4041.49,3174.07 ccw(c4041.49,3190.51) C60.1@4053.12,3178.89 ; C60.1@4041.49,3174.07 ccw(c4041.49,3190.51) C60.1@4053.12,3178.89 ; C60.1@4041.49,3174.07 ccw(c4041.49,3190.51) C60.1@4053.12,3178.89 ; C60.1@4049.68,3158.14 cw(c4070.87,3165.1) 4055.1,3180.87 ; C60.1@4049.68,3158.14 cw(c4070.87,3165.1) 4055.1,3180.87 ; C60.1@4049.68,3158.14 cw(c4070.87,3165.1) 4055.1,3180.87 ; C61.1@4059,3222.88 cw(c4040.65,3204.53) 4066.6,3204.53 ; C61.1@4059,3222.88 cw(c4040.65,3204.53) 4066.6,3204.53 ; C61.1@4059,3222.88 cw(c4040.65,3204.53) 4066.6,3204.53 ; C60.1@4059.18,3161.26 cw(c4088.18,3170.78) 4066.6,3192.37 ; C60.1@4059.18,3161.26 cw(c4088.18,3170.78) 4066.6,3192.37 ; C60.1@4059.18,3161.26 cw(c4088.18,3170.78) 4066.6,3192.37 ; X2.4@4060.67,2843.01 ccw(c4060.67,2873.16) 4081.99,2851.84 ; X2.4@4060.67,2843.01 ccw(c4060.67,2873.16) 4081.99,2851.84 ; X2.4@4060.67,2843.01 ccw(c4060.67,2873.16) 4081.99,2851.84 ; C65.1@4064.6,2730.73 cw(c4064.6,2700.03) 4086.31,2721.74 ; C65.1@4064.6,2730.73 cw(c4064.6,2700.03) 4086.31,2721.74 ; C65.1@4064.6,2730.73 cw(c4064.6,2700.03) 4086.31,2721.74 ; 4066.6,3204.53 cw(c4092.55,3204.53) C61.1@4074.2,3222.88 ; 4066.6,3204.53 cw(c4092.55,3204.53) C61.1@4074.2,3222.88 ; 4066.6,3204.53 cw(c4092.55,3204.53) C61.1@4074.2,3222.88 ; X2.4@4069.29,2824.39 cw(c4104.92,2824.39) 4079.73,2849.58 ; X2.4@4069.29,2824.39 cw(c4104.92,2824.39) 4079.73,2849.58 ; X2.4@4069.29,2824.39 cw(c4104.92,2824.39) 4079.73,2849.58 ; C65.1@4075.35,2741.48 ccw(c4096.54,2741.48) 4081.55,2726.49 ; C65.1@4075.35,2741.48 ccw(c4096.54,2741.48) 4081.55,2726.49 ; C65.1@4075.35,2741.48 ccw(c4096.54,2741.48) 4081.55,2726.49 ; X2.4@4079.29,2824.39 cw(c4139.06,2824.39) 4096.8,2866.65 ; X2.4@4079.29,2824.39 cw(c4139.06,2824.39) 4096.8,2866.65 ; X2.4@4079.29,2824.39 cw(c4139.06,2824.39) 4096.8,2866.65 ; 4091.79,2861.64 ccw(c4050.31,2903.13) X2.2@4108.98,2903.13 ; 4091.79,2861.64 ccw(c4050.31,2903.13) X2.2@4108.98,2903.13 ; 4091.79,2861.64 ccw(c4050.31,2903.13) X2.2@4108.98,2903.13 ; 4105.5,2875.35 cw(c4127.6,2853.25) X2.2@4127.6,2884.5 ; 4105.5,2875.35 cw(c4127.6,2853.25) X2.2@4127.6,2884.5 ; 4105.5,2875.35 cw(c4127.6,2853.25) X2.2@4127.6,2884.5 ; 4108.87,2878.72 ccw(c4084.46,2903.13) X2.2@4118.98,2903.13 ; 4108.87,2878.72 ccw(c4084.46,2903.13) X2.2@4118.98,2903.13 ; 4108.87,2878.72 ccw(c4084.46,2903.13) X2.2@4118.98,2903.13 ; X2.2@4114.43,2924.17 ccw(c4092.3,2946.3) 4123.6,2946.3 ; X2.2@4114.43,2924.17 ccw(c4092.3,2946.3) 4123.6,2946.3 ; X2.2@4114.43,2924.17 ccw(c4092.3,2946.3) 4123.6,2946.3 ; C71.1@4116,2979.88 cw(c4097.65,2961.53) 4123.6,2961.53 ; C71.1@4116,2979.88 cw(c4097.65,2961.53) 4123.6,2961.53 ; C71.1@4116,2979.88 cw(c4097.65,2961.53) 4123.6,2961.53 ; 4123.6,2941.47 ccw(c4158.07,2941.47) X2.2@4133.7,2917.1 ; 4123.6,2941.47 ccw(c4158.07,2941.47) X2.2@4133.7,2917.1 ; 4123.6,2941.47 ccw(c4158.07,2941.47) X2.2@4133.7,2917.1 ; 4123.6,2961.53 cw(c4149.55,2961.53) C71.1@4131.2,2979.88 ; 4123.6,2961.53 cw(c4149.55,2961.53) C71.1@4131.2,2979.88 ; 4123.6,2961.53 cw(c4149.55,2961.53) C71.1@4131.2,2979.88 ; 4123.6,2965.61 ccw(c4182.21,2965.61) X2.2@4140.77,2924.17 ; 4123.6,2965.61 ccw(c4182.21,2965.61) X2.2@4140.77,2924.17 ; 4123.6,2965.61 ccw(c4182.21,2965.61) X2.2@4140.77,2924.17 ; X2.2@4133.7,2904.9 cw(c4159.15,2879.44) 4159.15,2915.45 ; X2.2@4133.7,2904.9 cw(c4159.15,2879.44) 4159.15,2915.45 ; X2.2@4133.7,2904.9 cw(c4159.15,2879.44) 4159.15,2915.45 ; C69.1@4134.2,2664.85 cw(c4152.55,2646.5) 4152.55,2672.45 ; C69.1@4134.2,2664.85 cw(c4152.55,2646.5) 4152.55,2672.45 ; C69.1@4134.2,2664.85 cw(c4152.55,2646.5) 4152.55,2672.45 ; C69.1@4134.2,2680.05 ccw(c4152.55,2698.4) 4152.55,2672.45 ; C69.1@4134.2,2680.05 ccw(c4152.55,2698.4) 4152.55,2672.45 ; C69.1@4134.2,2680.05 ccw(c4152.55,2698.4) 4152.55,2672.45 ; X2.2@4140.77,2897.83 cw(c4183.3,2855.3) v1@4183.3,2915.45 ; X2.2@4140.77,2897.83 cw(c4183.3,2855.3) v1@4183.3,2915.45 ; X2.2@4140.77,2897.83 cw(c4183.3,2855.3) v1@4183.3,2915.45 ; X2.2@4140.77,2924.17 ccw(c4161.82,2945.22) 4161.82,2915.45 ; X2.2@4140.77,2924.17 ccw(c4161.82,2945.22) 4161.82,2915.45 ; X2.2@4140.77,2924.17 ccw(c4161.82,2945.22) 4161.82,2915.45 ; 4152.28,2672.45 cw(c4152.28,2650.14) v1@4168.06,2665.91 ; 4152.28,2672.45 cw(c4152.28,2650.14) v1@4168.06,2665.91 ; 4152.28,2672.45 cw(c4152.28,2650.14) v1@4168.06,2665.91 ; 4163.53,2709.45 cw(c4163.53,2697.38) v1@4172.06,2705.91 ; 4163.53,2709.45 ccw(c4163.53,2721.52) v1@4172.06,2712.98 ; 4163.53,2709.45 cw(c4163.53,2697.38) v1@4172.06,2705.91 ; 4163.53,2709.45 ccw(c4163.53,2721.52) v1@4172.06,2712.98